# Altium PCB Tag201_GangProgrammerRev2.PcbDoc (part 1 of 7) (continued)
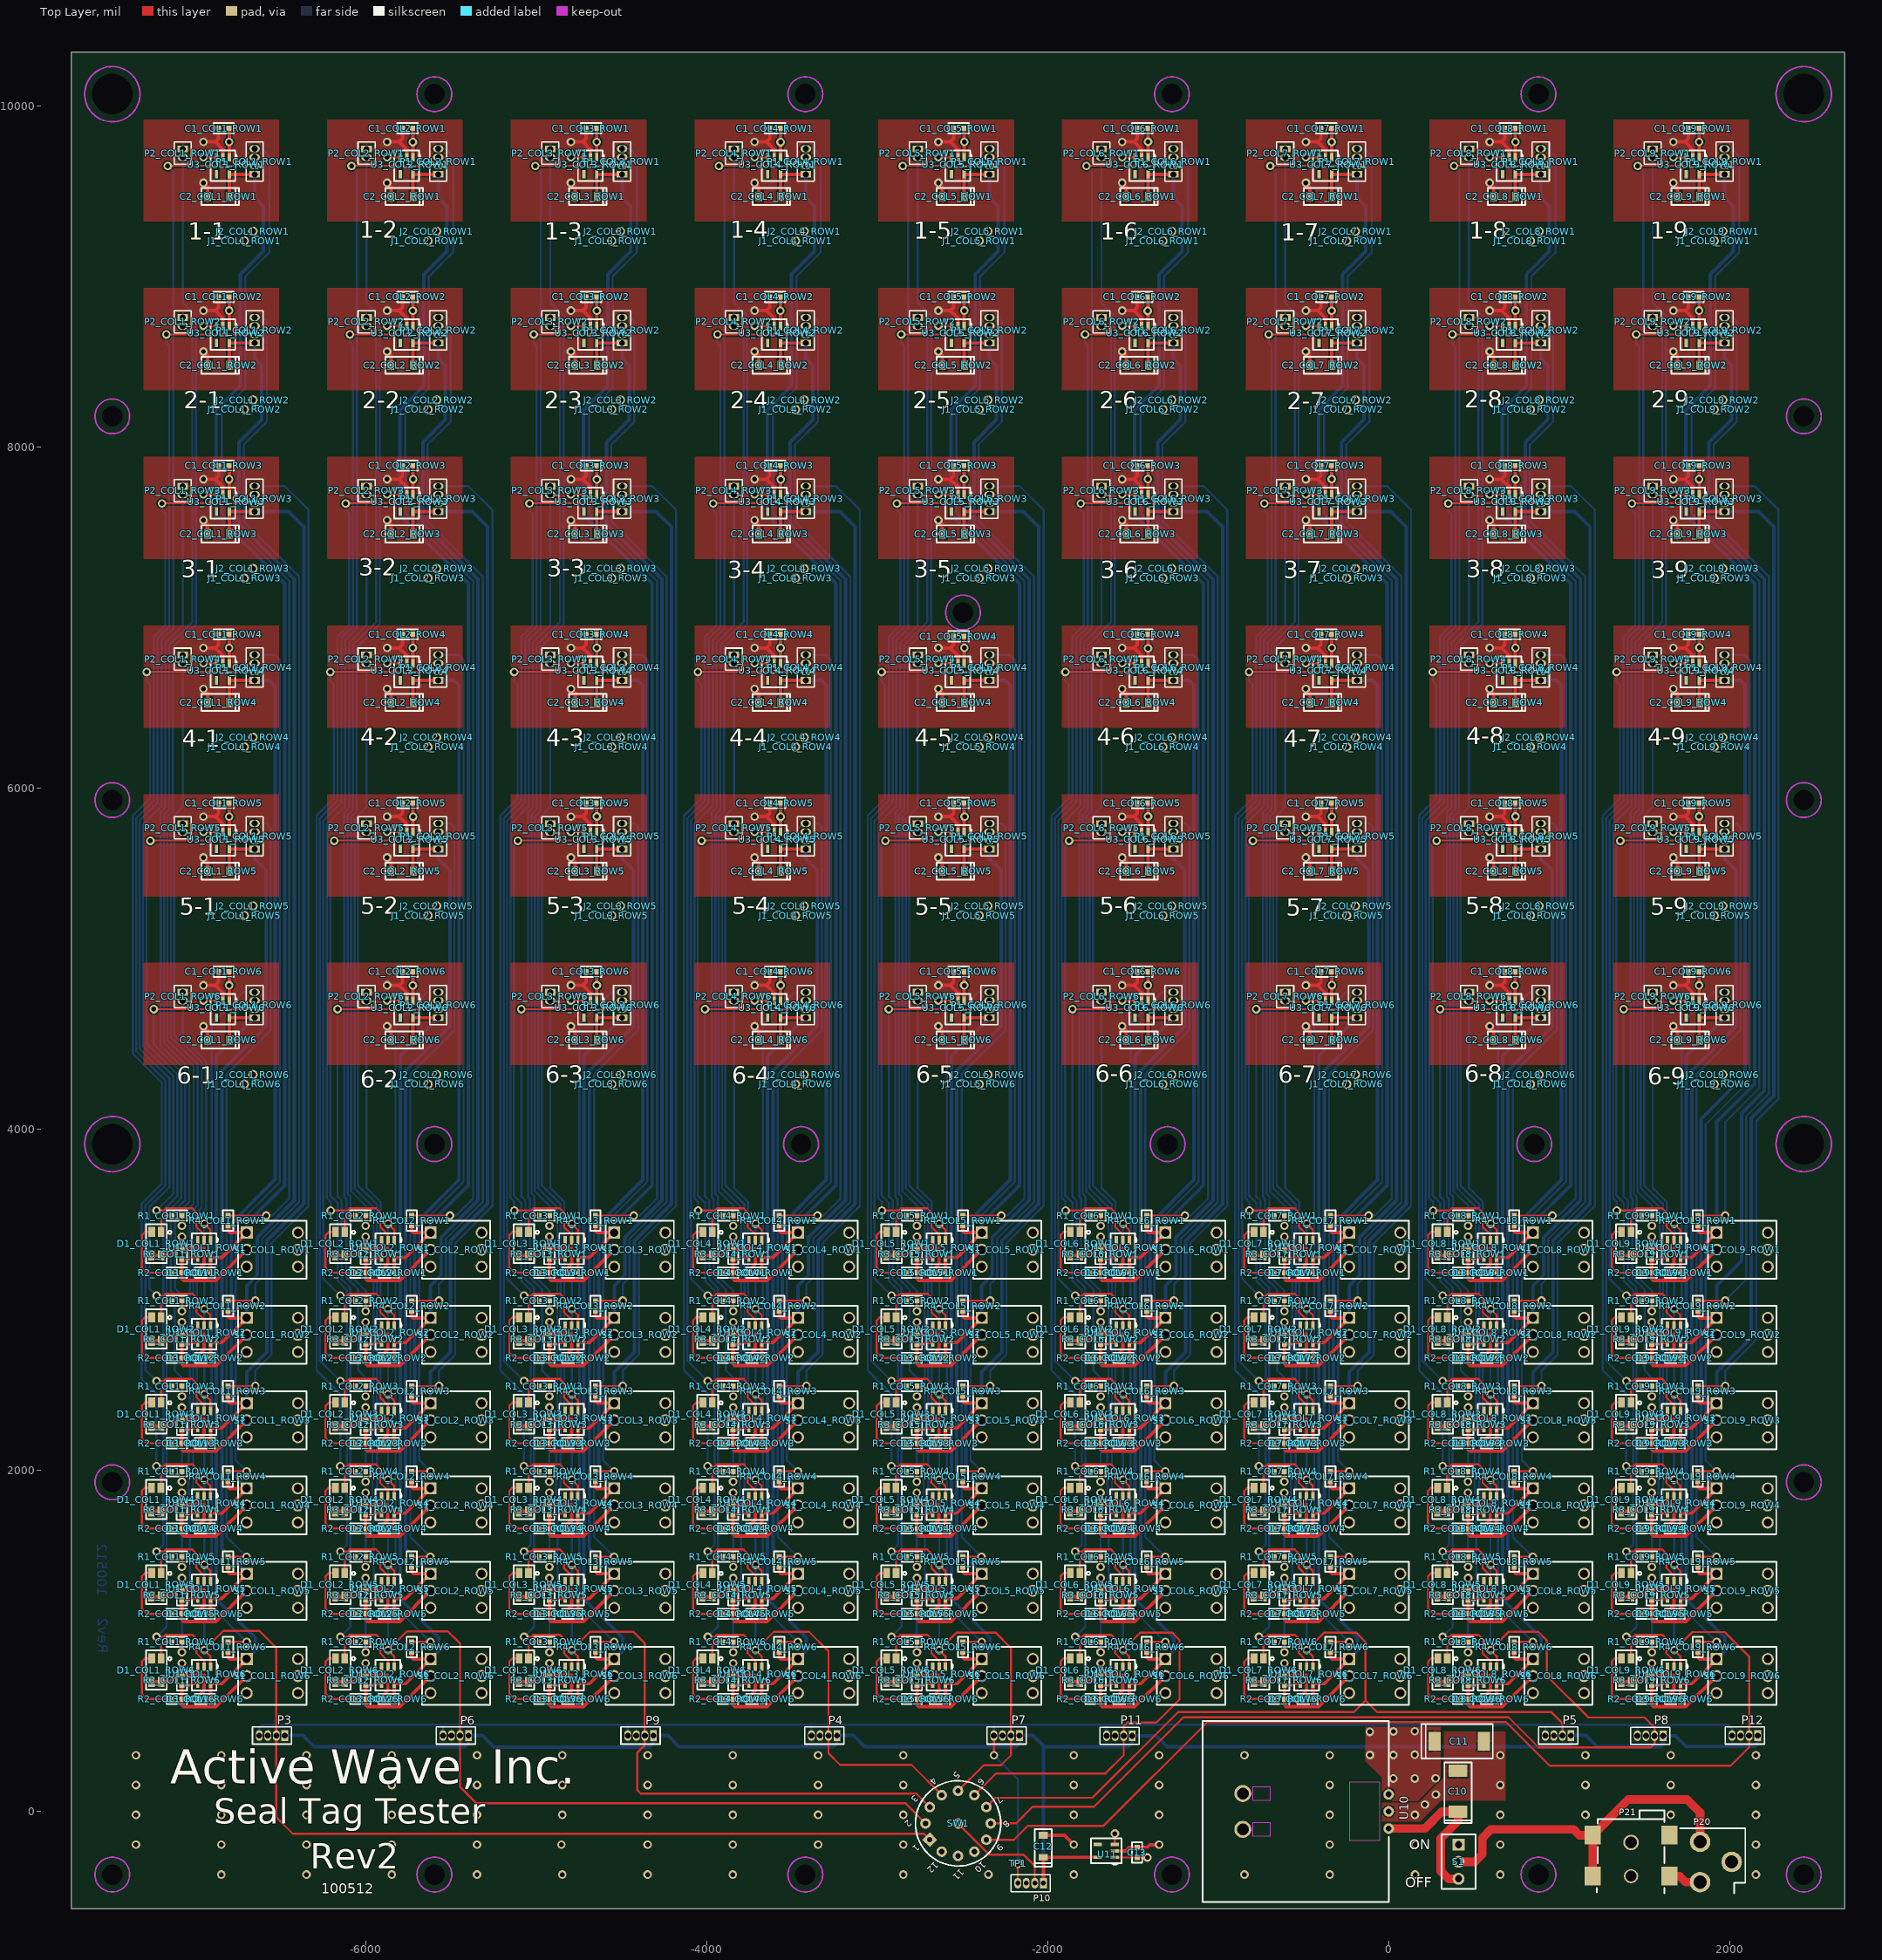
[diagram p0: Top Layer view]
## Classes and differential pairs (continued)
component class COL2_ROW5: C1_COL2_ROW5 C2_COL2_ROW5 C3_COL2_ROW5 D1_COL2_ROW5 J1_COL2_ROW5 J2_COL2_ROW5 P1_COL2_ROW5 P2_COL2_ROW5 R1_COL2_ROW5 R2_COL2_ROW5 R3_COL2_ROW5 R4_COL2_ROW5 S1_COL2_ROW5 U1_COL2_ROW5 U3_COL2_ROW5
component class COL2_ROW4: C1_COL2_ROW4 C2_COL2_ROW4 C3_COL2_ROW4 D1_COL2_ROW4 J1_COL2_ROW4 J2_COL2_ROW4 P1_COL2_ROW4 P2_COL2_ROW4 R1_COL2_ROW4 R2_COL2_ROW4 R3_COL2_ROW4 R4_COL2_ROW4 S1_COL2_ROW4 U1_COL2_ROW4 U3_COL2_ROW4
component class COL2_ROW3: C1_COL2_ROW3 C2_COL2_ROW3 C3_COL2_ROW3 D1_COL2_ROW3 J1_COL2_ROW3 J2_COL2_ROW3 P1_COL2_ROW3 P2_COL2_ROW3 R1_COL2_ROW3 R2_COL2_ROW3 R3_COL2_ROW3 R4_COL2_ROW3 S1_COL2_ROW3 U1_COL2_ROW3 U3_COL2_ROW3
component class COL2_ROW2: C1_COL2_ROW2 C2_COL2_ROW2 C3_COL2_ROW2 D1_COL2_ROW2 J1_COL2_ROW2 J2_COL2_ROW2 P1_COL2_ROW2 P2_COL2_ROW2 R1_COL2_ROW2 R2_COL2_ROW2 R3_COL2_ROW2 R4_COL2_ROW2 S1_COL2_ROW2 U1_COL2_ROW2 U3_COL2_ROW2
component class COL2_ROW1: C1_COL2_ROW1 C2_COL2_ROW1 C3_COL2_ROW1 D1_COL2_ROW1 J1_COL2_ROW1 J2_COL2_ROW1 P1_COL2_ROW1 P2_COL2_ROW1 R1_COL2_ROW1 R2_COL2_ROW1 R3_COL2_ROW1 R4_COL2_ROW1 S1_COL2_ROW1 U1_COL2_ROW1 U3_COL2_ROW1
component class COL1_ROW6: C1_COL1_ROW6 C2_COL1_ROW6 C3_COL1_ROW6 D1_COL1_ROW6 J1_COL1_ROW6 J2_COL1_ROW6 P1_COL1_ROW6 P2_COL1_ROW6 R1_COL1_ROW6 R2_COL1_ROW6 R3_COL1_ROW6 R4_COL1_ROW6 S1_COL1_ROW6 U1_COL1_ROW6 U3_COL1_ROW6
component class COL1_ROW5: C1_COL1_ROW5 C2_COL1_ROW5 C3_COL1_ROW5 D1_COL1_ROW5 J1_COL1_ROW5 J2_COL1_ROW5 P1_COL1_ROW5 P2_COL1_ROW5 R1_COL1_ROW5 R2_COL1_ROW5 R3_COL1_ROW5 R4_COL1_ROW5 S1_COL1_ROW5 U1_COL1_ROW5 U3_COL1_ROW5
component class COL1_ROW4: C1_COL1_ROW4 C2_COL1_ROW4 C3_COL1_ROW4 D1_COL1_ROW4 J1_COL1_ROW4 J2_COL1_ROW4 P1_COL1_ROW4 P2_COL1_ROW4 R1_COL1_ROW4 R2_COL1_ROW4 R3_COL1_ROW4 R4_COL1_ROW4 S1_COL1_ROW4 U1_COL1_ROW4 U3_COL1_ROW4
component class COL1_ROW3: C1_COL1_ROW3 C2_COL1_ROW3 C3_COL1_ROW3 D1_COL1_ROW3 J1_COL1_ROW3 J2_COL1_ROW3 P1_COL1_ROW3 P2_COL1_ROW3 R1_COL1_ROW3 R2_COL1_ROW3 R3_COL1_ROW3 R4_COL1_ROW3 S1_COL1_ROW3 U1_COL1_ROW3 U3_COL1_ROW3
component class COL1_ROW2: C1_COL1_ROW2 C2_COL1_ROW2 C3_COL1_ROW2 D1_COL1_ROW2 J1_COL1_ROW2 J2_COL1_ROW2 P1_COL1_ROW2 P2_COL1_ROW2 R1_COL1_ROW2 R2_COL1_ROW2 R3_COL1_ROW2 R4_COL1_ROW2 S1_COL1_ROW2 U1_COL1_ROW2 U3_COL1_ROW2
component class COL1_ROW1: C1_COL1_ROW1 C2_COL1_ROW1 C3_COL1_ROW1 D1_COL1_ROW1 J1_COL1_ROW1 J2_COL1_ROW1 P1_COL1_ROW1 P2_COL1_ROW1 R1_COL1_ROW1 R2_COL1_ROW1 R3_COL1_ROW1 R4_COL1_ROW1 S1_COL1_ROW1 U1_COL1_ROW1 U3_COL1_ROW1
channel class SingleBoardCircuitRev2: COL1_ROW1 COL1_ROW2 COL1_ROW3 COL1_ROW4 COL1_ROW5 COL1_ROW6 COL2_ROW1 COL2_ROW2 COL2_ROW3 COL2_ROW4 COL2_ROW5 COL2_ROW6 COL3_ROW1 COL3_ROW2 COL3_ROW3 COL3_ROW4 COL3_ROW5 COL3_ROW6 COL4_ROW1 COL4_ROW2 COL4_ROW3 COL4_ROW4 COL4_ROW5 COL4_ROW6 COL5_ROW1 COL5_ROW2 COL5_ROW3 COL5_ROW4 COL5_ROW5 COL5_ROW6 COL6_ROW1 COL6_ROW2 COL6_ROW3 COL6_ROW4 COL6_ROW5 COL6_ROW6 COL7_ROW1 COL7_ROW2 COL7_ROW3 COL7_ROW4 COL7_ROW5 COL7_ROW6 COL8_ROW1 COL8_ROW2 COL8_ROW3 COL8_ROW4 COL8_ROW5 COL8_ROW6 COL9_ROW1 COL9_ROW2 COL9_ROW3 COL9_ROW4 COL9_ROW5 COL9_ROW6

## Components (designator, comment, footprint, x,y, rotation, side; value= is the part's Value field where it differs from the comment)
C1_COL1_ROW1 "0.1uf" 0603_072205 -6831.5,9869 r180 top (schematic designator C1)
C1_COL1_ROW2 "0.1uf" 0603_072205 -6831.5,8880 r180 top (schematic designator C1)
C1_COL1_ROW3 "0.1uf" 0603_072205 -6831.5,7891 r180 top (schematic designator C1)
C1_COL1_ROW4 "0.1uf" 0603_072205 -6831.5,6902 r180 top (schematic designator C1)
C1_COL1_ROW5 "0.1uf" 0603_072205 -6831.5,5913 r180 top (schematic designator C1)
C1_COL1_ROW6 "0.1uf" 0603_072205 -6831.5,4924 r180 top (schematic designator C1)
C1_COL2_ROW1 "0.1uf" 0603_072205 -5754,9869 r180 top (schematic designator C1)
C1_COL2_ROW2 "0.1uf" 0603_072205 -5754,8880 r180 top (schematic designator C1)
C1_COL2_ROW3 "0.1uf" 0603_072205 -5754,7891 r180 top (schematic designator C1)
C1_COL2_ROW4 "0.1uf" 0603_072205 -5754,6902 r180 top (schematic designator C1)
C1_COL2_ROW5 "0.1uf" 0603_072205 -5754,5913 r180 top (schematic designator C1)
C1_COL2_ROW6 "0.1uf" 0603_072205 -5754,4924 r180 top (schematic designator C1)
C1_COL3_ROW1 "0.1uf" 0603_072205 -4676.5,9869 r180 top (schematic designator C1)
C1_COL3_ROW2 "0.1uf" 0603_072205 -4676.5,8880 r180 top (schematic designator C1)
C1_COL3_ROW3 "0.1uf" 0603_072205 -4676.5,7891 r180 top (schematic designator C1)
C1_COL3_ROW4 "0.1uf" 0603_072205 -4676.5,6902 r180 top (schematic designator C1)
C1_COL3_ROW5 "0.1uf" 0603_072205 -4676.5,5913 r180 top (schematic designator C1)
C1_COL3_ROW6 "0.1uf" 0603_072205 -4676.5,4924 r180 top (schematic designator C1)
C1_COL4_ROW1 "0.1uf" 0603_072205 -3599,9869 r180 top (schematic designator C1)
C1_COL4_ROW2 "0.1uf" 0603_072205 -3599,8880 r180 top (schematic designator C1)
C1_COL4_ROW3 "0.1uf" 0603_072205 -3599,7891 r180 top (schematic designator C1)
C1_COL4_ROW4 "0.1uf" 0603_072205 -3599,6902 r180 top (schematic designator C1)
C1_COL4_ROW5 "0.1uf" 0603_072205 -3599,5913 r180 top (schematic designator C1)
C1_COL4_ROW6 "0.1uf" 0603_072205 -3599,4924 r180 top (schematic designator C1)
C1_COL5_ROW1 "0.1uf" 0603_072205 -2521.5,9869 r180 top (schematic designator C1)
C1_COL5_ROW2 "0.1uf" 0603_072205 -2521.5,8880 r180 top (schematic designator C1)
C1_COL5_ROW3 "0.1uf" 0603_072205 -2521.5,7891 r180 top (schematic designator C1)
C1_COL5_ROW4 "0.1uf" 0603_072205 -2521.5,6890 r180 top (schematic designator C1)
C1_COL5_ROW5 "0.1uf" 0603_072205 -2521.5,5913 r180 top (schematic designator C1)
C1_COL5_ROW6 "0.1uf" 0603_072205 -2521.5,4924 r180 top (schematic designator C1)
C1_COL6_ROW1 "0.1uf" 0603_072205 -1444,9869 r180 top (schematic designator C1)
C1_COL6_ROW2 "0.1uf" 0603_072205 -1444,8880 r180 top (schematic designator C1)
C1_COL6_ROW3 "0.1uf" 0603_072205 -1444,7891 r180 top (schematic designator C1)
C1_COL6_ROW4 "0.1uf" 0603_072205 -1444,6902 r180 top (schematic designator C1)
C1_COL6_ROW5 "0.1uf" 0603_072205 -1444,5913 r180 top (schematic designator C1)
C1_COL6_ROW6 "0.1uf" 0603_072205 -1444,4924 r180 top (schematic designator C1)
C1_COL7_ROW1 "0.1uf" 0603_072205 -366.5,9869 r180 top (schematic designator C1)
C1_COL7_ROW2 "0.1uf" 0603_072205 -366.5,8880 r180 top (schematic designator C1)
C1_COL7_ROW3 "0.1uf" 0603_072205 -366.5,7891 r180 top (schematic designator C1)
C1_COL7_ROW4 "0.1uf" 0603_072205 -366.5,6902 r180 top (schematic designator C1)
C1_COL7_ROW5 "0.1uf" 0603_072205 -366.5,5913 r180 top (schematic designator C1)
C1_COL7_ROW6 "0.1uf" 0603_072205 -366.5,4924 r180 top (schematic designator C1)
C1_COL8_ROW1 "0.1uf" 0603_072205 711,9869 r180 top (schematic designator C1)
C1_COL8_ROW2 "0.1uf" 0603_072205 711,8880 r180 top (schematic designator C1)
C1_COL8_ROW3 "0.1uf" 0603_072205 711,7891 r180 top (schematic designator C1)
C1_COL8_ROW4 "0.1uf" 0603_072205 711,6902 r180 top (schematic designator C1)
C1_COL8_ROW5 "0.1uf" 0603_072205 711,5913 r180 top (schematic designator C1)
C1_COL8_ROW6 "0.1uf" 0603_072205 711,4924 r180 top (schematic designator C1)
C1_COL9_ROW1 "0.1uf" 0603_072205 1788.5,9869 r180 top (schematic designator C1)
C1_COL9_ROW2 "0.1uf" 0603_072205 1788.5,8880 r180 top (schematic designator C1)
C1_COL9_ROW3 "0.1uf" 0603_072205 1788.5,7891 r180 top (schematic designator C1)
C1_COL9_ROW4 "0.1uf" 0603_072205 1788.5,6902 r180 top (schematic designator C1)
C1_COL9_ROW5 "0.1uf" 0603_072205 1788.5,5913 r180 top (schematic designator C1)
C1_COL9_ROW6 "0.1uf" 0603_072205 1788.5,4924 r180 top (schematic designator C1)
C2_COL1_ROW1 "2.2uf 10V Tant" "CAP A CASE_030205" -6861.5,9469 r0 top (schematic designator C2)
C2_COL1_ROW2 "2.2uf 10V Tant" "CAP A CASE_030205" -6861.5,8480 r0 top (schematic designator C2)
C2_COL1_ROW3 "2.2uf 10V Tant" "CAP A CASE_030205" -6861.5,7491 r0 top (schematic designator C2)
C2_COL1_ROW4 "2.2uf 10V Tant" "CAP A CASE_030205" -6861.5,6502 r0 top (schematic designator C2)
C2_COL1_ROW5 "2.2uf 10V Tant" "CAP A CASE_030205" -6861.5,5513 r0 top (schematic designator C2)
C2_COL1_ROW6 "2.2uf 10V Tant" "CAP A CASE_030205" -6861.5,4524 r0 top (schematic designator C2)
C2_COL2_ROW1 "2.2uf 10V Tant" "CAP A CASE_030205" -5784,9469 r0 top (schematic designator C2)
C2_COL2_ROW2 "2.2uf 10V Tant" "CAP A CASE_030205" -5784,8480 r0 top (schematic designator C2)
C2_COL2_ROW3 "2.2uf 10V Tant" "CAP A CASE_030205" -5784,7491 r0 top (schematic designator C2)
C2_COL2_ROW4 "2.2uf 10V Tant" "CAP A CASE_030205" -5784,6502 r0 top (schematic designator C2)
C2_COL2_ROW5 "2.2uf 10V Tant" "CAP A CASE_030205" -5784,5513 r0 top (schematic designator C2)
C2_COL2_ROW6 "2.2uf 10V Tant" "CAP A CASE_030205" -5784,4524 r0 top (schematic designator C2)
C2_COL3_ROW1 "2.2uf 10V Tant" "CAP A CASE_030205" -4706.5,9469 r0 top (schematic designator C2)
C2_COL3_ROW2 "2.2uf 10V Tant" "CAP A CASE_030205" -4706.5,8480 r0 top (schematic designator C2)
C2_COL3_ROW3 "2.2uf 10V Tant" "CAP A CASE_030205" -4706.5,7491 r0 top (schematic designator C2)
C2_COL3_ROW4 "2.2uf 10V Tant" "CAP A CASE_030205" -4706.5,6502 r0 top (schematic designator C2)
C2_COL3_ROW5 "2.2uf 10V Tant" "CAP A CASE_030205" -4706.5,5513 r0 top (schematic designator C2)
C2_COL3_ROW6 "2.2uf 10V Tant" "CAP A CASE_030205" -4706.5,4524 r0 top (schematic designator C2)
C2_COL4_ROW1 "2.2uf 10V Tant" "CAP A CASE_030205" -3629,9469 r0 top (schematic designator C2)
C2_COL4_ROW2 "2.2uf 10V Tant" "CAP A CASE_030205" -3629,8480 r0 top (schematic designator C2)
C2_COL4_ROW3 "2.2uf 10V Tant" "CAP A CASE_030205" -3629,7491 r0 top (schematic designator C2)
C2_COL4_ROW4 "2.2uf 10V Tant" "CAP A CASE_030205" -3629,6502 r0 top (schematic designator C2)
C2_COL4_ROW5 "2.2uf 10V Tant" "CAP A CASE_030205" -3629,5513 r0 top (schematic designator C2)
C2_COL4_ROW6 "2.2uf 10V Tant" "CAP A CASE_030205" -3629,4524 r0 top (schematic designator C2)
C2_COL5_ROW1 "2.2uf 10V Tant" "CAP A CASE_030205" -2551.5,9469 r0 top (schematic designator C2)
C2_COL5_ROW2 "2.2uf 10V Tant" "CAP A CASE_030205" -2551.5,8480 r0 top (schematic designator C2)
C2_COL5_ROW3 "2.2uf 10V Tant" "CAP A CASE_030205" -2551.5,7491 r0 top (schematic designator C2)
C2_COL5_ROW4 "2.2uf 10V Tant" "CAP A CASE_030205" -2551.5,6502 r0 top (schematic designator C2)
C2_COL5_ROW5 "2.2uf 10V Tant" "CAP A CASE_030205" -2551.5,5513 r0 top (schematic designator C2)
C2_COL5_ROW6 "2.2uf 10V Tant" "CAP A CASE_030205" -2551.5,4524 r0 top (schematic designator C2)
C2_COL6_ROW1 "2.2uf 10V Tant" "CAP A CASE_030205" -1474,9469 r0 top (schematic designator C2)
C2_COL6_ROW2 "2.2uf 10V Tant" "CAP A CASE_030205" -1474,8480 r0 top (schematic designator C2)
C2_COL6_ROW3 "2.2uf 10V Tant" "CAP A CASE_030205" -1474,7491 r0 top (schematic designator C2)
C2_COL6_ROW4 "2.2uf 10V Tant" "CAP A CASE_030205" -1474,6502 r0 top (schematic designator C2)
C2_COL6_ROW5 "2.2uf 10V Tant" "CAP A CASE_030205" -1474,5513 r0 top (schematic designator C2)
C2_COL6_ROW6 "2.2uf 10V Tant" "CAP A CASE_030205" -1474,4524 r0 top (schematic designator C2)
C2_COL7_ROW1 "2.2uf 10V Tant" "CAP A CASE_030205" -396.5,9469 r0 top (schematic designator C2)
C2_COL7_ROW2 "2.2uf 10V Tant" "CAP A CASE_030205" -396.5,8480 r0 top (schematic designator C2)
C2_COL7_ROW3 "2.2uf 10V Tant" "CAP A CASE_030205" -396.5,7491 r0 top (schematic designator C2)
C2_COL7_ROW4 "2.2uf 10V Tant" "CAP A CASE_030205" -396.5,6502 r0 top (schematic designator C2)
C2_COL7_ROW5 "2.2uf 10V Tant" "CAP A CASE_030205" -396.5,5513 r0 top (schematic designator C2)
C2_COL7_ROW6 "2.2uf 10V Tant" "CAP A CASE_030205" -396.5,4524 r0 top (schematic designator C2)
C2_COL8_ROW1 "2.2uf 10V Tant" "CAP A CASE_030205" 681,9469 r0 top (schematic designator C2)
C2_COL8_ROW2 "2.2uf 10V Tant" "CAP A CASE_030205" 681,8480 r0 top (schematic designator C2)
C2_COL8_ROW3 "2.2uf 10V Tant" "CAP A CASE_030205" 681,7491 r0 top (schematic designator C2)
C2_COL8_ROW4 "2.2uf 10V Tant" "CAP A CASE_030205" 681,6502 r0 top (schematic designator C2)
C2_COL8_ROW5 "2.2uf 10V Tant" "CAP A CASE_030205" 681,5513 r0 top (schematic designator C2)
C2_COL8_ROW6 "2.2uf 10V Tant" "CAP A CASE_030205" 681,4524 r0 top (schematic designator C2)
C2_COL9_ROW1 "2.2uf 10V Tant" "CAP A CASE_030205" 1758.5,9469 r0 top (schematic designator C2)
C2_COL9_ROW2 "2.2uf 10V Tant" "CAP A CASE_030205" 1758.5,8480 r0 top (schematic designator C2)
C2_COL9_ROW3 "2.2uf 10V Tant" "CAP A CASE_030205" 1758.5,7491 r0 top (schematic designator C2)
C2_COL9_ROW4 "2.2uf 10V Tant" "CAP A CASE_030205" 1758.5,6502 r0 top (schematic designator C2)
C2_COL9_ROW5 "2.2uf 10V Tant" "CAP A CASE_030205" 1758.5,5513 r0 top (schematic designator C2)
C2_COL9_ROW6 "2.2uf 10V Tant" "CAP A CASE_030205" 1758.5,4524 r0 top (schematic designator C2)
C3_COL1_ROW1 "0.1uf" 0603_072205 -6941.5,3159 r180 top (schematic designator C3)
C3_COL1_ROW2 "0.1uf" 0603_072205 -6941.5,2659 r180 top (schematic designator C3)
C3_COL1_ROW3 "0.1uf" 0603_072205 -6941.5,2159 r180 top (schematic designator C3)
C3_COL1_ROW4 "0.1uf" 0603_072205 -6942,1659 r180 top (schematic designator C3)
C3_COL1_ROW5 "0.1uf" 0603_072205 -6941.5,1159 r180 top (schematic designator C3)
C3_COL1_ROW6 "0.1uf" 0603_072205 -6941.5,659 r180 top (schematic designator C3)
C3_COL2_ROW1 "0.1uf" 0603_072205 -5864,3159 r180 top (schematic designator C3)
C3_COL2_ROW2 "0.1uf" 0603_072205 -5864,2659 r180 top (schematic designator C3)
C3_COL2_ROW3 "0.1uf" 0603_072205 -5864,2159 r180 top (schematic designator C3)
C3_COL2_ROW4 "0.1uf" 0603_072205 -5864.5,1659 r180 top (schematic designator C3)
C3_COL2_ROW5 "0.1uf" 0603_072205 -5864,1159 r180 top (schematic designator C3)
C3_COL2_ROW6 "0.1uf" 0603_072205 -5864,659 r180 top (schematic designator C3)
C3_COL3_ROW1 "0.1uf" 0603_072205 -4786.5,3159 r180 top (schematic designator C3)
C3_COL3_ROW2 "0.1uf" 0603_072205 -4786.5,2659 r180 top (schematic designator C3)
C3_COL3_ROW3 "0.1uf" 0603_072205 -4786.5,2159 r180 top (schematic designator C3)
C3_COL3_ROW4 "0.1uf" 0603_072205 -4787,1659 r180 top (schematic designator C3)
C3_COL3_ROW5 "0.1uf" 0603_072205 -4786.5,1159 r180 top (schematic designator C3)
C3_COL3_ROW6 "0.1uf" 0603_072205 -4786.5,659 r180 top (schematic designator C3)
C3_COL4_ROW1 "0.1uf" 0603_072205 -3709,3159 r180 top (schematic designator C3)
C3_COL4_ROW2 "0.1uf" 0603_072205 -3709,2659 r180 top (schematic designator C3)
C3_COL4_ROW3 "0.1uf" 0603_072205 -3709,2159 r180 top (schematic designator C3)
C3_COL4_ROW4 "0.1uf" 0603_072205 -3709.5,1659 r180 top (schematic designator C3)
C3_COL4_ROW5 "0.1uf" 0603_072205 -3709,1159 r180 top (schematic designator C3)
C3_COL4_ROW6 "0.1uf" 0603_072205 -3709,659 r180 top (schematic designator C3)
C3_COL5_ROW1 "0.1uf" 0603_072205 -2631.5,3159 r180 top (schematic designator C3)
C3_COL5_ROW2 "0.1uf" 0603_072205 -2631.5,2659 r180 top (schematic designator C3)
C3_COL5_ROW3 "0.1uf" 0603_072205 -2631.5,2159 r180 top (schematic designator C3)
C3_COL5_ROW4 "0.1uf" 0603_072205 -2632,1659 r180 top (schematic designator C3)
C3_COL5_ROW5 "0.1uf" 0603_072205 -2631.5,1159 r180 top (schematic designator C3)
C3_COL5_ROW6 "0.1uf" 0603_072205 -2631.5,659 r180 top (schematic designator C3)
C3_COL6_ROW1 "0.1uf" 0603_072205 -1554,3159 r180 top (schematic designator C3)
C3_COL6_ROW2 "0.1uf" 0603_072205 -1554,2659 r180 top (schematic designator C3)
C3_COL6_ROW3 "0.1uf" 0603_072205 -1554,2159 r180 top (schematic designator C3)
C3_COL6_ROW4 "0.1uf" 0603_072205 -1554.5,1659 r180 top (schematic designator C3)
C3_COL6_ROW5 "0.1uf" 0603_072205 -1554,1159 r180 top (schematic designator C3)
C3_COL6_ROW6 "0.1uf" 0603_072205 -1554,659 r180 top (schematic designator C3)
C3_COL7_ROW1 "0.1uf" 0603_072205 -476.5,3159 r180 top (schematic designator C3)
C3_COL7_ROW2 "0.1uf" 0603_072205 -476.5,2659 r180 top (schematic designator C3)
C3_COL7_ROW3 "0.1uf" 0603_072205 -476.5,2159 r180 top (schematic designator C3)
C3_COL7_ROW4 "0.1uf" 0603_072205 -477,1659 r180 top (schematic designator C3)
C3_COL7_ROW5 "0.1uf" 0603_072205 -476.5,1159 r180 top (schematic designator C3)
C3_COL7_ROW6 "0.1uf" 0603_072205 -476.5,659 r180 top (schematic designator C3)
C3_COL8_ROW1 "0.1uf" 0603_072205 601,3159 r180 top (schematic designator C3)
C3_COL8_ROW2 "0.1uf" 0603_072205 601,2659 r180 top (schematic designator C3)
C3_COL8_ROW3 "0.1uf" 0603_072205 601,2159 r180 top (schematic designator C3)
C3_COL8_ROW4 "0.1uf" 0603_072205 600.5,1659 r180 top (schematic designator C3)
C3_COL8_ROW5 "0.1uf" 0603_072205 601,1159 r180 top (schematic designator C3)
C3_COL8_ROW6 "0.1uf" 0603_072205 601,659 r180 top (schematic designator C3)
C3_COL9_ROW1 "0.1uf" 0603_072205 1678.5,3159 r180 top (schematic designator C3)
C3_COL9_ROW2 "0.1uf" 0603_072205 1678.5,2659 r180 top (schematic designator C3)
C3_COL9_ROW3 "0.1uf" 0603_072205 1678.5,2159 r180 top (schematic designator C3)
C3_COL9_ROW4 "0.1uf" 0603_072205 1678,1659 r180 top (schematic designator C3)
C3_COL9_ROW5 "0.1uf" 0603_072205 1678.5,1159 r180 top (schematic designator C3)
C3_COL9_ROW6 "0.1uf" 0603_072205 1678.5,659 r180 top (schematic designator C3)
C10 "4.7uf 25V" "CAP C CASE_041412" 407,118 r90 top
C11 "47uf 10V" "CAP D CASE_030205" 414,412 r180 top
C12 "2.2uf 10V Tant" "CAP A CASE_030205" -2025,-204 r270 top
C13 "0.1uf" 0603_072205 -1475,-240 r90 top
D1_COL1_ROW1 "LTST-C155" "LED 5mm x 2.5mm_061112" -7226.5,3329 r90 top (schematic designator D1)
D1_COL1_ROW2 "LTST-C155" "LED 5mm x 2.5mm_061112" -7226.5,2829 r90 top (schematic designator D1)
D1_COL1_ROW3 "LTST-C155" "LED 5mm x 2.5mm_061112" -7226.5,2329 r90 top (schematic designator D1)
D1_COL1_ROW4 "LTST-C155" "LED 5mm x 2.5mm_061112" -7227,1829 r90 top (schematic designator D1)
D1_COL1_ROW5 "LTST-C155" "LED 5mm x 2.5mm_061112" -7226.5,1329 r90 top (schematic designator D1)
D1_COL1_ROW6 "LTST-C155" "LED 5mm x 2.5mm_061112" -7226.5,829 r90 top (schematic designator D1)
D1_COL2_ROW1 "LTST-C155" "LED 5mm x 2.5mm_061112" -6149,3329 r90 top (schematic designator D1)
D1_COL2_ROW2 "LTST-C155" "LED 5mm x 2.5mm_061112" -6149,2829 r90 top (schematic designator D1)
D1_COL2_ROW3 "LTST-C155" "LED 5mm x 2.5mm_061112" -6149,2329 r90 top (schematic designator D1)
D1_COL2_ROW4 "LTST-C155" "LED 5mm x 2.5mm_061112" -6149.5,1829 r90 top (schematic designator D1)
D1_COL2_ROW5 "LTST-C155" "LED 5mm x 2.5mm_061112" -6149,1329 r90 top (schematic designator D1)
D1_COL2_ROW6 "LTST-C155" "LED 5mm x 2.5mm_061112" -6149,829 r90 top (schematic designator D1)
D1_COL3_ROW1 "LTST-C155" "LED 5mm x 2.5mm_061112" -5071.5,3329 r90 top (schematic designator D1)
D1_COL3_ROW2 "LTST-C155" "LED 5mm x 2.5mm_061112" -5071.5,2829 r90 top (schematic designator D1)
D1_COL3_ROW3 "LTST-C155" "LED 5mm x 2.5mm_061112" -5071.5,2329 r90 top (schematic designator D1)
D1_COL3_ROW4 "LTST-C155" "LED 5mm x 2.5mm_061112" -5072,1829 r90 top (schematic designator D1)
D1_COL3_ROW5 "LTST-C155" "LED 5mm x 2.5mm_061112" -5071.5,1329 r90 top (schematic designator D1)
D1_COL3_ROW6 "LTST-C155" "LED 5mm x 2.5mm_061112" -5071.5,829 r90 top (schematic designator D1)
D1_COL4_ROW1 "LTST-C155" "LED 5mm x 2.5mm_061112" -3994,3329 r90 top (schematic designator D1)
D1_COL4_ROW2 "LTST-C155" "LED 5mm x 2.5mm_061112" -3994,2829 r90 top (schematic designator D1)
D1_COL4_ROW3 "LTST-C155" "LED 5mm x 2.5mm_061112" -3994,2329 r90 top (schematic designator D1)
D1_COL4_ROW4 "LTST-C155" "LED 5mm x 2.5mm_061112" -3994.5,1829 r90 top (schematic designator D1)
D1_COL4_ROW5 "LTST-C155" "LED 5mm x 2.5mm_061112" -3994,1329 r90 top (schematic designator D1)
D1_COL4_ROW6 "LTST-C155" "LED 5mm x 2.5mm_061112" -3994,829 r90 top (schematic designator D1)
D1_COL5_ROW1 "LTST-C155" "LED 5mm x 2.5mm_061112" -2916.5,3329 r90 top (schematic designator D1)
D1_COL5_ROW2 "LTST-C155" "LED 5mm x 2.5mm_061112" -2916.5,2829 r90 top (schematic designator D1)
D1_COL5_ROW3 "LTST-C155" "LED 5mm x 2.5mm_061112" -2916.5,2329 r90 top (schematic designator D1)
D1_COL5_ROW4 "LTST-C155" "LED 5mm x 2.5mm_061112" -2917,1829 r90 top (schematic designator D1)
D1_COL5_ROW5 "LTST-C155" "LED 5mm x 2.5mm_061112" -2916.5,1329 r90 top (schematic designator D1)
D1_COL5_ROW6 "LTST-C155" "LED 5mm x 2.5mm_061112" -2916.5,829 r90 top (schematic designator D1)
D1_COL6_ROW1 "LTST-C155" "LED 5mm x 2.5mm_061112" -1839,3329 r90 top (schematic designator D1)
D1_COL6_ROW2 "LTST-C155" "LED 5mm x 2.5mm_061112" -1839,2829 r90 top (schematic designator D1)
D1_COL6_ROW3 "LTST-C155" "LED 5mm x 2.5mm_061112" -1839,2329 r90 top (schematic designator D1)
D1_COL6_ROW4 "LTST-C155" "LED 5mm x 2.5mm_061112" -1839.5,1829 r90 top (schematic designator D1)
D1_COL6_ROW5 "LTST-C155" "LED 5mm x 2.5mm_061112" -1839,1329 r90 top (schematic designator D1)
D1_COL6_ROW6 "LTST-C155" "LED 5mm x 2.5mm_061112" -1839,829 r90 top (schematic designator D1)
D1_COL7_ROW1 "LTST-C155" "LED 5mm x 2.5mm_061112" -761.5,3329 r90 top (schematic designator D1)
D1_COL7_ROW2 "LTST-C155" "LED 5mm x 2.5mm_061112" -761.5,2829 r90 top (schematic designator D1)
D1_COL7_ROW3 "LTST-C155" "LED 5mm x 2.5mm_061112" -761.5,2329 r90 top (schematic designator D1)
D1_COL7_ROW4 "LTST-C155" "LED 5mm x 2.5mm_061112" -762,1829 r90 top (schematic designator D1)
D1_COL7_ROW5 "LTST-C155" "LED 5mm x 2.5mm_061112" -761.5,1329 r90 top (schematic designator D1)
D1_COL7_ROW6 "LTST-C155" "LED 5mm x 2.5mm_061112" -761.5,829 r90 top (schematic designator D1)
D1_COL8_ROW1 "LTST-C155" "LED 5mm x 2.5mm_061112" 316,3329 r90 top (schematic designator D1)
D1_COL8_ROW2 "LTST-C155" "LED 5mm x 2.5mm_061112" 316,2829 r90 top (schematic designator D1)
D1_COL8_ROW3 "LTST-C155" "LED 5mm x 2.5mm_061112" 316,2329 r90 top (schematic designator D1)
D1_COL8_ROW4 "LTST-C155" "LED 5mm x 2.5mm_061112" 315.5,1829 r90 top (schematic designator D1)
D1_COL8_ROW5 "LTST-C155" "LED 5mm x 2.5mm_061112" 316,1329 r90 top (schematic designator D1)
D1_COL8_ROW6 "LTST-C155" "LED 5mm x 2.5mm_061112" 316,829 r90 top (schematic designator D1)
D1_COL9_ROW1 "LTST-C155" "LED 5mm x 2.5mm_061112" 1393.5,3329 r90 top (schematic designator D1)
D1_COL9_ROW2 "LTST-C155" "LED 5mm x 2.5mm_061112" 1393.5,2829 r90 top (schematic designator D1)
D1_COL9_ROW3 "LTST-C155" "LED 5mm x 2.5mm_061112" 1393.5,2329 r90 top (schematic designator D1)
D1_COL9_ROW4 "LTST-C155" "LED 5mm x 2.5mm_061112" 1393,1829 r90 top (schematic designator D1)
D1_COL9_ROW5 "LTST-C155" "LED 5mm x 2.5mm_061112" 1393.5,1329 r90 top (schematic designator D1)
D1_COL9_ROW6 "LTST-C155" "LED 5mm x 2.5mm_061112" 1393.5,829 r90 top (schematic designator D1)
J1_COL1_ROW1 "POGOPIN" TestPoint52x32 -6711.5,9209 r90 top (schematic designator J1)
J1_COL1_ROW2 "POGOPIN" TestPoint52x32 -6711.5,8220 r90 top (schematic designator J1)
J1_COL1_ROW3 "POGOPIN" TestPoint52x32 -6711.5,7231 r90 top (schematic designator J1)
J1_COL1_ROW4 "POGOPIN" TestPoint52x32 -6711.5,6242 r90 top (schematic designator J1)
J1_COL1_ROW5 "POGOPIN" TestPoint52x32 -6711.5,5253 r90 top (schematic designator J1)
J1_COL1_ROW6 "POGOPIN" TestPoint52x32 -6711.5,4264 r90 top (schematic designator J1)
J1_COL2_ROW1 "POGOPIN" TestPoint52x32 -5634,9209 r90 top (schematic designator J1)
J1_COL2_ROW2 "POGOPIN" TestPoint52x32 -5634,8220 r90 top (schematic designator J1)
J1_COL2_ROW3 "POGOPIN" TestPoint52x32 -5634,7231 r90 top (schematic designator J1)
J1_COL2_ROW4 "POGOPIN" TestPoint52x32 -5634,6242 r90 top (schematic designator J1)
J1_COL2_ROW5 "POGOPIN" TestPoint52x32 -5634,5253 r90 top (schematic designator J1)
J1_COL2_ROW6 "POGOPIN" TestPoint52x32 -5634,4264 r90 top (schematic designator J1)
J1_COL3_ROW1 "POGOPIN" TestPoint52x32 -4556.5,9209 r90 top (schematic designator J1)
J1_COL3_ROW2 "POGOPIN" TestPoint52x32 -4556.5,8220 r90 top (schematic designator J1)
J1_COL3_ROW3 "POGOPIN" TestPoint52x32 -4556.5,7231 r90 top (schematic designator J1)
J1_COL3_ROW4 "POGOPIN" TestPoint52x32 -4556.5,6242 r90 top (schematic designator J1)
J1_COL3_ROW5 "POGOPIN" TestPoint52x32 -4556.5,5253 r90 top (schematic designator J1)
J1_COL3_ROW6 "POGOPIN" TestPoint52x32 -4556.5,4264 r90 top (schematic designator J1)
J1_COL4_ROW1 "POGOPIN" TestPoint52x32 -3479,9209 r90 top (schematic designator J1)
J1_COL4_ROW2 "POGOPIN" TestPoint52x32 -3479,8220 r90 top (schematic designator J1)
J1_COL4_ROW3 "POGOPIN" TestPoint52x32 -3479,7231 r90 top (schematic designator J1)
J1_COL4_ROW4 "POGOPIN" TestPoint52x32 -3479,6242 r90 top (schematic designator J1)
J1_COL4_ROW5 "POGOPIN" TestPoint52x32 -3479,5253 r90 top (schematic designator J1)
J1_COL4_ROW6 "POGOPIN" TestPoint52x32 -3479,4264 r90 top (schematic designator J1)
J1_COL5_ROW1 "POGOPIN" TestPoint52x32 -2401.5,9209 r90 top (schematic designator J1)
J1_COL5_ROW2 "POGOPIN" TestPoint52x32 -2401.5,8220 r90 top (schematic designator J1)
J1_COL5_ROW3 "POGOPIN" TestPoint52x32 -2401.5,7231 r90 top (schematic designator J1)
J1_COL5_ROW4 "POGOPIN" TestPoint52x32 -2401.5,6242 r90 top (schematic designator J1)
J1_COL5_ROW5 "POGOPIN" TestPoint52x32 -2401.5,5253 r90 top (schematic designator J1)
J1_COL5_ROW6 "POGOPIN" TestPoint52x32 -2401.5,4264 r90 top (schematic designator J1)
J1_COL6_ROW1 "POGOPIN" TestPoint52x32 -1324,9209 r90 top (schematic designator J1)
J1_COL6_ROW2 "POGOPIN" TestPoint52x32 -1324,8220 r90 top (schematic designator J1)
J1_COL6_ROW3 "POGOPIN" TestPoint52x32 -1324,7231 r90 top (schematic designator J1)
J1_COL6_ROW4 "POGOPIN" TestPoint52x32 -1324,6242 r90 top (schematic designator J1)
J1_COL6_ROW5 "POGOPIN" TestPoint52x32 -1324,5253 r90 top (schematic designator J1)
J1_COL6_ROW6 "POGOPIN" TestPoint52x32 -1324,4264 r90 top (schematic designator J1)
J1_COL7_ROW1 "POGOPIN" TestPoint52x32 -246.5,9209 r90 top (schematic designator J1)
J1_COL7_ROW2 "POGOPIN" TestPoint52x32 -246.5,8220 r90 top (schematic designator J1)
J1_COL7_ROW3 "POGOPIN" TestPoint52x32 -246.5,7231 r90 top (schematic designator J1)
J1_COL7_ROW4 "POGOPIN" TestPoint52x32 -246.5,6242 r90 top (schematic designator J1)
J1_COL7_ROW5 "POGOPIN" TestPoint52x32 -246.5,5253 r90 top (schematic designator J1)
J1_COL7_ROW6 "POGOPIN" TestPoint52x32 -246.5,4264 r90 top (schematic designator J1)
J1_COL8_ROW1 "POGOPIN" TestPoint52x32 831,9209 r90 top (schematic designator J1)
J1_COL8_ROW2 "POGOPIN" TestPoint52x32 831,8220 r90 top (schematic designator J1)
J1_COL8_ROW3 "POGOPIN" TestPoint52x32 831,7231 r90 top (schematic designator J1)
J1_COL8_ROW4 "POGOPIN" TestPoint52x32 831,6242 r90 top (schematic designator J1)
J1_COL8_ROW5 "POGOPIN" TestPoint52x32 831,5253 r90 top (schematic designator J1)
J1_COL8_ROW6 "POGOPIN" TestPoint52x32 831,4264 r90 top (schematic designator J1)
J1_COL9_ROW1 "POGOPIN" TestPoint52x32 1908.5,9209 r90 top (schematic designator J1)
J1_COL9_ROW2 "POGOPIN" TestPoint52x32 1908.5,8220 r90 top (schematic designator J1)
J1_COL9_ROW3 "POGOPIN" TestPoint52x32 1908.5,7231 r90 top (schematic designator J1)
J1_COL9_ROW4 "POGOPIN" TestPoint52x32 1908.5,6242 r90 top (schematic designator J1)
J1_COL9_ROW5 "POGOPIN" TestPoint52x32 1908.5,5253 r90 top (schematic designator J1)
J1_COL9_ROW6 "POGOPIN" TestPoint52x32 1908.5,4264 r90 top (schematic designator J1)
J2_COL1_ROW1 "POGOPIN" TestPoint52x32 -6660.5,9265 r90 top (schematic designator J2)
J2_COL1_ROW2 "POGOPIN" TestPoint52x32 -6660.5,8276 r90 top (schematic designator J2)
J2_COL1_ROW3 "POGOPIN" TestPoint52x32 -6660.5,7287 r90 top (schematic designator J2)
J2_COL1_ROW4 "POGOPIN" TestPoint52x32 -6660.5,6298 r90 top (schematic designator J2)
J2_COL1_ROW5 "POGOPIN" TestPoint52x32 -6660.5,5309 r90 top (schematic designator J2)
J2_COL1_ROW6 "POGOPIN" TestPoint52x32 -6660.5,4320 r90 top (schematic designator J2)
J2_COL2_ROW1 "POGOPIN" TestPoint52x32 -5583,9265 r90 top (schematic designator J2)
J2_COL2_ROW2 "POGOPIN" TestPoint52x32 -5583,8276 r90 top (schematic designator J2)
J2_COL2_ROW3 "POGOPIN" TestPoint52x32 -5583,7287 r90 top (schematic designator J2)
J2_COL2_ROW4 "POGOPIN" TestPoint52x32 -5583,6298 r90 top (schematic designator J2)
J2_COL2_ROW5 "POGOPIN" TestPoint52x32 -5583,5309 r90 top (schematic designator J2)
J2_COL2_ROW6 "POGOPIN" TestPoint52x32 -5583,4320 r90 top (schematic designator J2)
J2_COL3_ROW1 "POGOPIN" TestPoint52x32 -4505.5,9265 r90 top (schematic designator J2)
J2_COL3_ROW2 "POGOPIN" TestPoint52x32 -4505.5,8276 r90 top (schematic designator J2)
J2_COL3_ROW3 "POGOPIN" TestPoint52x32 -4505.5,7287 r90 top (schematic designator J2)